# Altium PCB BC95_BLUE.PcbDoc
Units mil, origin at the board's own origin, x right, y up, seen from the top; angles counter-clockwise.
Board outline 2720 x 2260 mil, 2 copper layers (Top Layer, Bottom Layer); 107 components, 88 nets, 463 pads, 0 vias.
Unrouted connection lines stored in the file: 254.
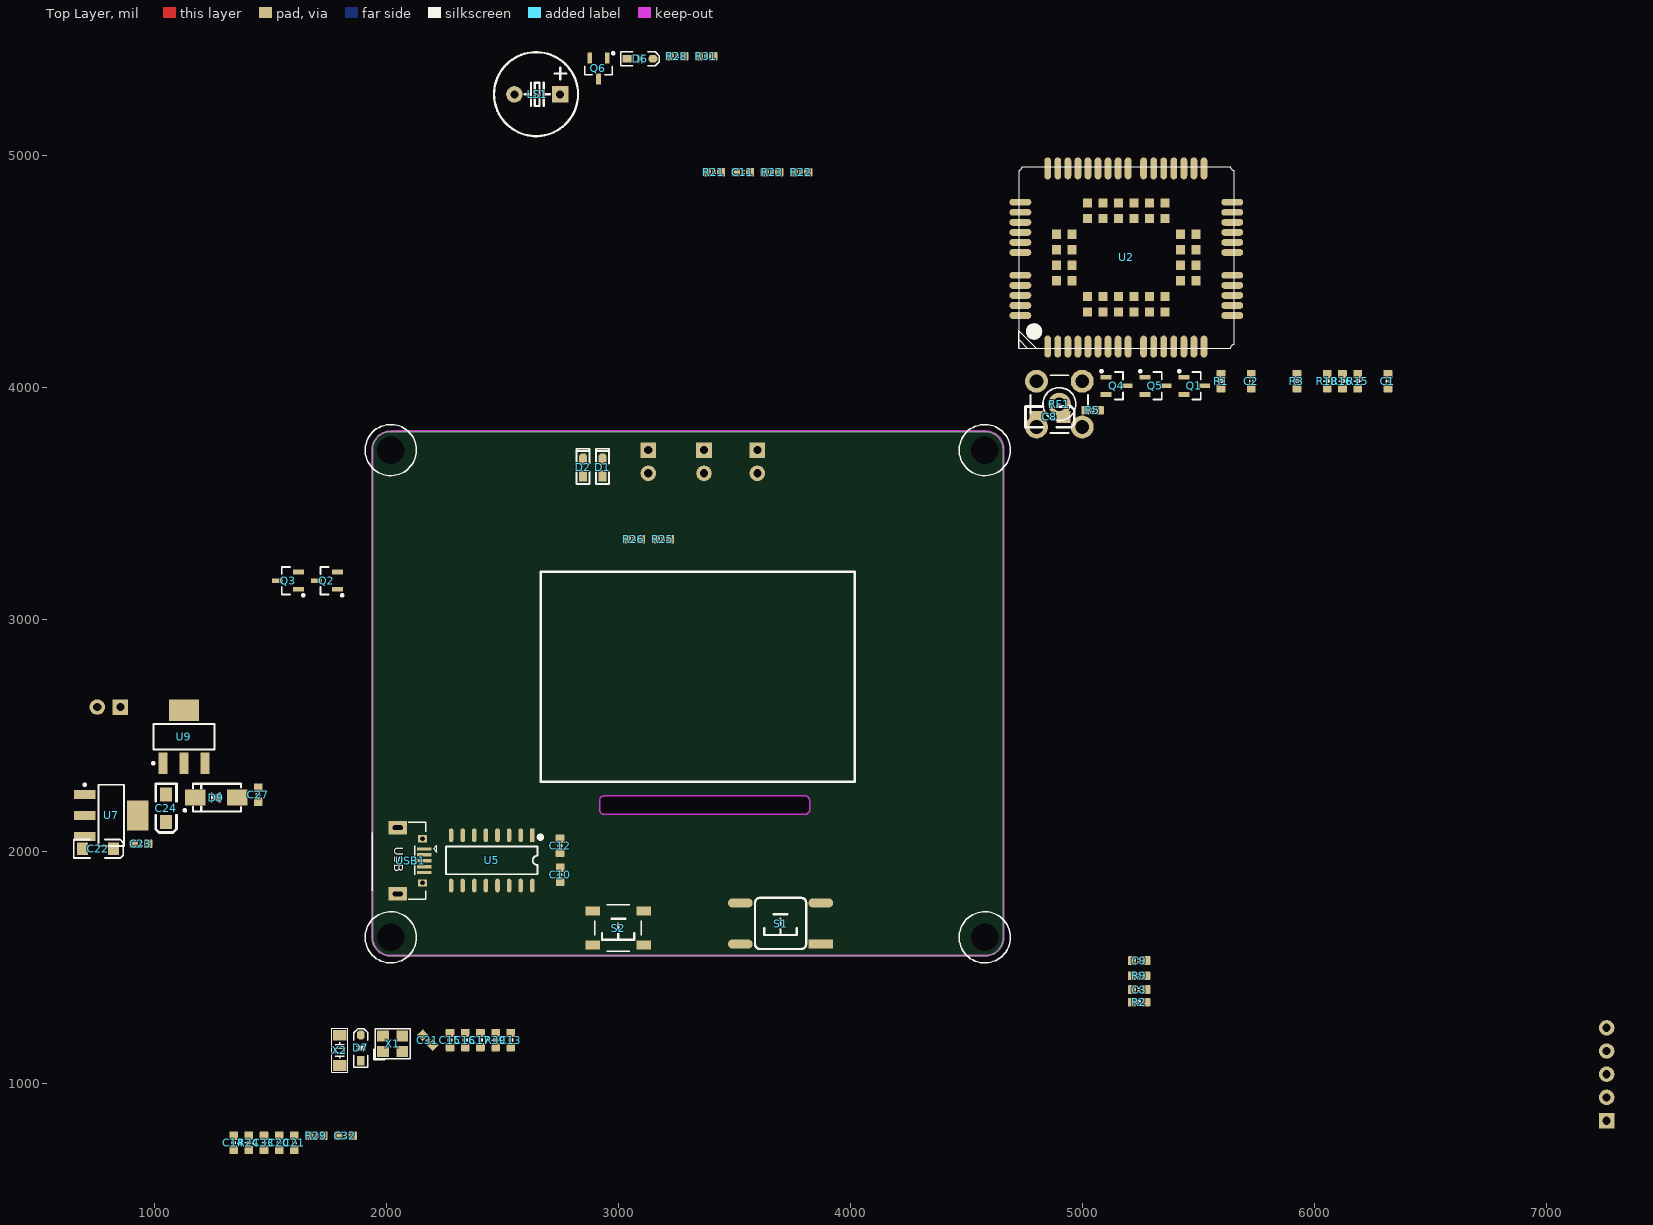
[diagram p0: Top Layer view]
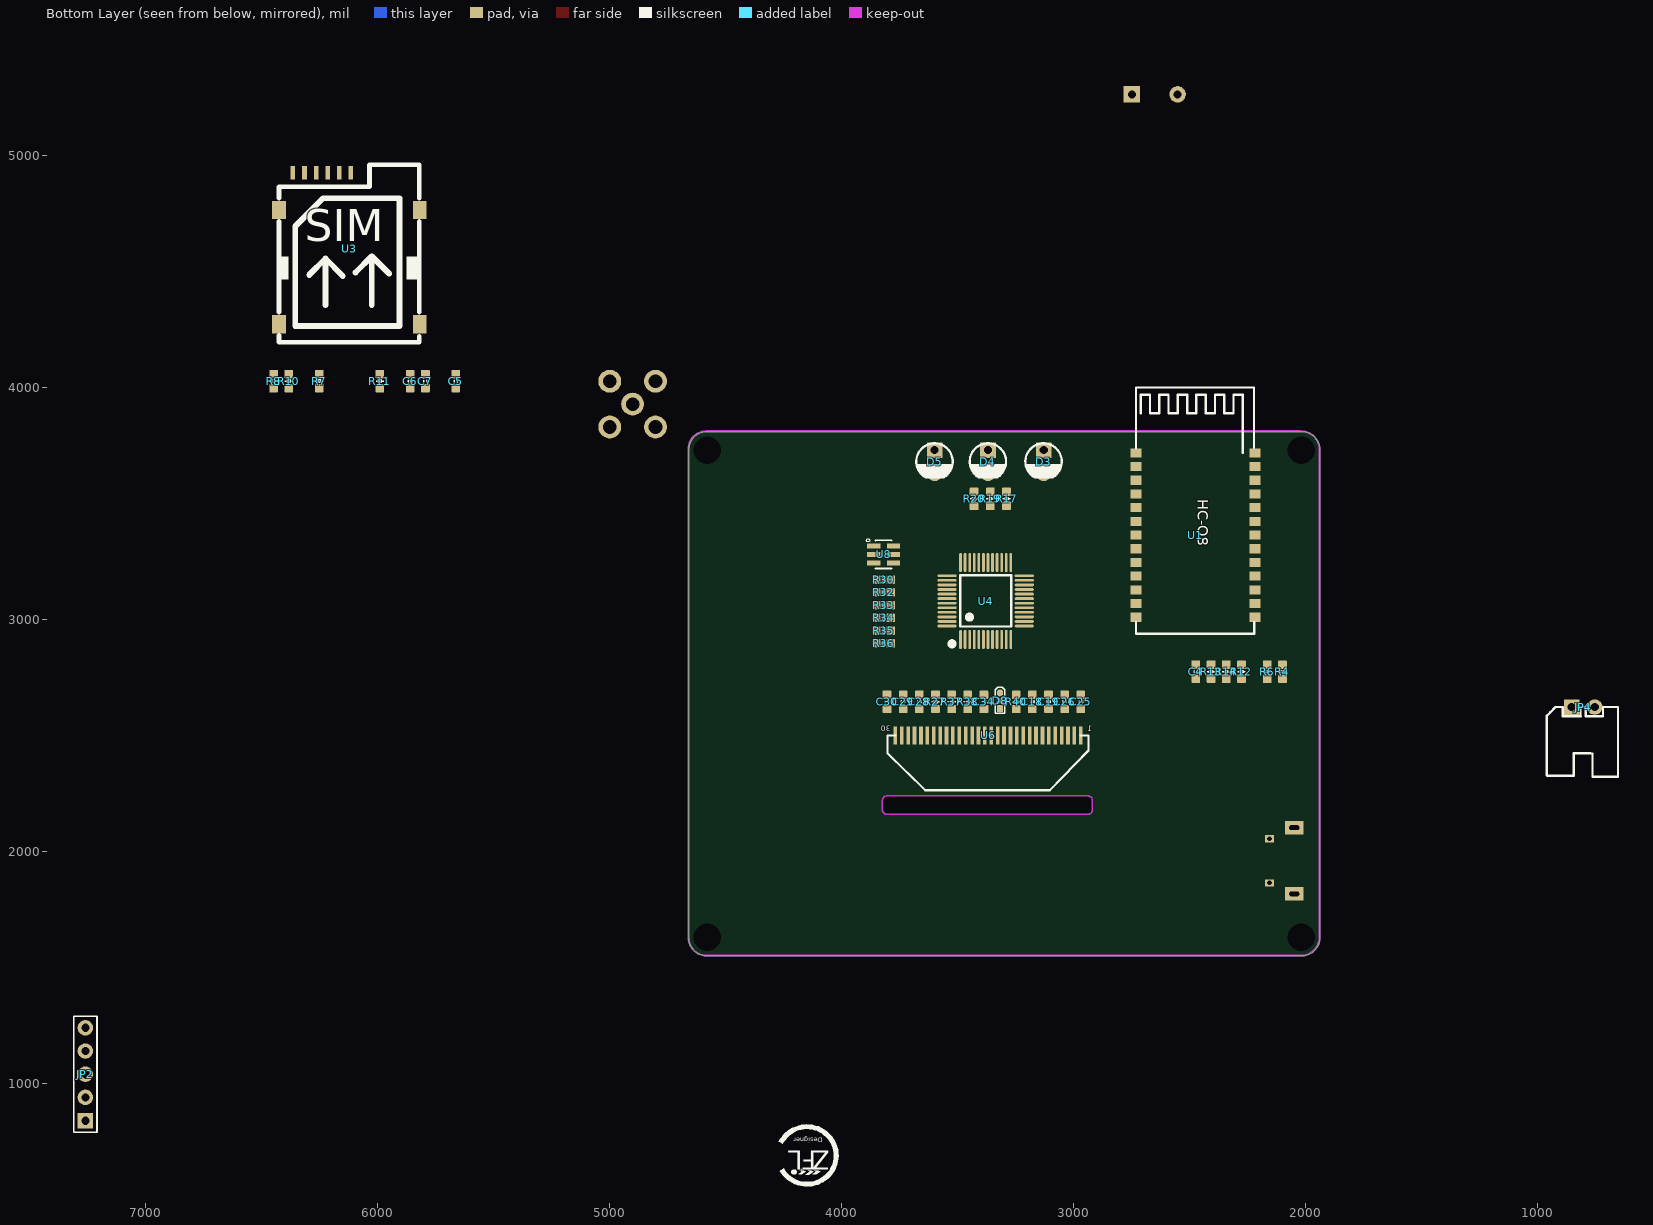
[diagram p1: Bottom Layer view, seen from below]

## Layer stack, top to bottom
Top Solder: solder mask 0.4, Solder Resist, Dk 3.5
Top Layer: signal copper 1.4
Dielectric 1: dielectric 12.6, FR-4, Dk 4.8
Bottom Layer: signal copper 1.4
Bottom Solder: solder mask 0.4, Solder Resist, Dk 3.5

## Board outline
1940,1628.74 ccw(c2018.74,1628.74) 2018.74,1550 4581.26,1550 ccw(c4581.26,1628.74) 4660,1628.74 4660,3731.26 ccw(c4581.26,3731.26) 4581.26,3810 2018.74,3810 ccw(c2018.74,3731.26) 1940,3731.26
cut-out: 2919.64,2180 ccw(c2939.64,2180) 2939.64,2160 3805,2160 ccw(c3805,2180) 3825,2180 3825,2220 ccw(c3805,2220) 3805,2240 2939.64,2240 ccw(c2939.64,2220) 2919.64,2220

## Design rules (kind name [scope] priority, off if disabled: settings)
Clearance Clearance_4 [InNamedPolygon('GND_L02_P002')] p1: gap=15 ignorepadtopadclearanceinfootprint=FALSE except(0: Arc-Hole Track-Hole SMDPad-Hole THPad-Hole Via-Hole Fill-Hole Poly-Hole Region-Hole Text-Hole)
Clearance Clearance_3 [InNamedPolygon('GND_L01_P000')] p2: gap=15 ignorepadtopadclearanceinfootprint=FALSE except(0: Arc-Hole Track-Hole SMDPad-Hole THPad-Hole Via-Hole Fill-Hole Poly-Hole Region-Hole Text-Hole)
Clearance Clearance_2 [InNamedPolygon('GND_L02_P002')] p3: gap=20 ignorepadtopadclearanceinfootprint=FALSE except(0: Arc-Hole Track-Hole SMDPad-Hole THPad-Hole Via-Hole Fill-Hole Poly-Hole Region-Hole Text-Hole)
Clearance Clearance_1 [InNamedPolygon('GND_L01_P000')] p4: gap=20 ignorepadtopadclearanceinfootprint=FALSE except(0: Arc-Hole Track-Hole SMDPad-Hole THPad-Hole Via-Hole Fill-Hole Poly-Hole Region-Hole Text-Hole)
Clearance [All] p5: gap=7 ignorepadtopadclearanceinfootprint=FALSE except(0: Arc-Hole Track-Hole SMDPad-Hole THPad-Hole Via-Hole Fill-Hole Poly-Hole Region-Hole Text-Hole)
DiffPairsRouting DiffPair_DiffPairsRouting [InDifferentialPairClass('90 OM')] p1: maxlimit=10 minlimit=10 mostfreqgap=10 toplayer_minwidth=15 toplayer_maxwidth=15 toplayer_prefwidth=15 bottomlayer_minwidth=15 bottomlayer_maxwidth=15 bottomlayer_prefwidth=15 maxuncoupledlength=500
DiffPairsRouting DiffPair_DiffPairsRouting [All] p2: maxlimit=7 minlimit=7 mostfreqgap=7 toplayer_minwidth=6 toplayer_maxwidth=6 toplayer_prefwidth=6 bottomlayer_minwidth=6 bottomlayer_maxwidth=6 bottomlayer_prefwidth=6 maxuncoupledlength=500
DiffPairsRouting DiffPair_DiffPairsRouting_1 [InDifferentialPairClass('90 OM')] p3: maxlimit=10 minlimit=10 mostfreqgap=10 toplayer_minwidth=15 toplayer_maxwidth=15 toplayer_prefwidth=15 bottomlayer_minwidth=15 bottomlayer_maxwidth=15 bottomlayer_prefwidth=15 maxuncoupledlength=500
DiffPairsRouting [All] p4: maxlimit=10 minlimit=10 mostfreqgap=10 toplayer_minwidth=15 toplayer_maxwidth=15 toplayer_prefwidth=15 bottomlayer_minwidth=15 bottomlayer_maxwidth=15 bottomlayer_prefwidth=15 maxuncoupledlength=500
FanoutControl Fanout_Default [All] p5: bgadir=Out bgaviamode=Closest fanoutstyle=Auto fanoutdirection=Alternating viagrid=1 // Fanout_Default (Default Rule)
MatchedLengths DiffPair_MatchedLengths [InDifferentialPairClass('90 OM')] p1: tolerance=1000 checknetsindiffpair=FALSE checkdiffpairvsdiffpair=TRUE checkxsignals=TRUE checkothers=TRUE
MatchedLengths DiffPair_MatchedLengths [All] p2: tolerance=1000 checknetsindiffpair=FALSE checkdiffpairvsdiffpair=TRUE checkxsignals=TRUE checkothers=TRUE
MatchedLengths DiffPair_MatchedLengths_1 [InDifferentialPairClass('90 OM')] p3: tolerance=1000 checknetsindiffpair=FALSE checkdiffpairvsdiffpair=TRUE checkxsignals=TRUE checkothers=TRUE
PolygonConnect PolygonConnect_2 [All vs IsNamedPolygon('GND_L02_P002')] p1: connectstyle=Direct reliefconductorwidth=10 reliefentries=4 polygonreliefangle="90 Angle" airgapwidth=10
PolygonConnect PolygonConnect_1 [All vs IsNamedPolygon('GND_L01_P000')] p2: connectstyle=Direct reliefconductorwidth=10 reliefentries=4 polygonreliefangle="90 Angle" airgapwidth=10
PolygonConnect [All] p3: connectstyle=Relief reliefconductorwidth=10 reliefentries=4 polygonreliefangle="90 Angle" airgapwidth=10
RoomDefinition Data_Blue [InComponentClass('Data_Blue')] p1: confinementstyle=ConfineIn formatcopy=TRUE lockcomponents=FALSE outline 0,0 30890,0 30890,8775 0,8775
RoutingVias [All] p1: holewidth=11.81 width=23.62 viastyle="Through Hole" minholewidth=11.81 minwidth=23.62 maxholewidth=28 maxwidth=50 viatemplateguid#1={C9D36F14-557D-4908-B1C2-58944D411F6E} viatemplatename#1=v127h71m0
SolderMaskExpansion [All] p1: expansion=4 istentingtop=FALSE
Width [All] p1: maxlimit=5000 minlimit=6 preferedwidth=6
28 further rules are at their usual default settings.

## Classes and differential pairs
net class POWER: GND MCU_3.3V VCC_5V
differential pair class "90 OM": NewDifferentialPair1 NewDifferentialPair2
differential pair NewDifferentialPair2: +USART3_RXD_PB10 -USART3_TXD_PB11
differential pair USARTUD: +UD+ -UD-
differential pair NewDifferentialPair1: +UD+ -UD-

## Components (designator, comment, footprint, x,y, rotation, side; value= is the part's Value field where it differs from the comment)
C1 "100nF" 0603CC 6317.79,4027.17 r180 top
C2 "100nF" 0603CC 5729.17,4027.17 r180 top
C3 "100nF" 0603CC 5245,1405 r270 top
C4 "100nF" 0603CC 2473.91,2774.92 r0 bottom
C5 "100nF" 0603CC 5663.77,4027.17 r180 bottom
C6 "33P" 0603CC 5859.98,4027.17 r180 bottom
C7 "33P" 0603CC 5794.57,4027.17 r0 bottom
C8 "470uF/16V" C3216 4861,3873.02 r180 top
C9 "10uF" 0603CC 5245,1530 r90 top
C10 "100nF" 0603CC 2750,1900 r0 top
C11 "100nF" 0603CC 3537.87,4927.3 r270 top
C12 "100nF" 0603CC 2749.41,2025.11 r0 top
C13 "22p" 0603CC 2537.17,1187.38 r0 top
C14 "22p" 0603CC 1342.7,744.87 r180 top
C15 "22p" 0603CC 2275.56,1187.38 r0 top
C16 "22p" 0603CC 2340.96,1187.38 r180 top
C17 "100nF" 0603CC 2406.37,1187.38 r180 top
C18 "1uF" 0603CC 3178.75,2644.62 r180 bottom locked
C19 "2.2uF" 0603CC 3109.17,2644.62 r180 bottom locked
C20 "10uF" 0603CC 1538.91,744.87 r0 top
C21 "100nF" 0603CC 1604.31,744.87 r0 top
C22 "470uF/35V" "CD A(3216)" 758.94,2011.6 r180 top
C23 "100nF" 0603CC 943.5,2032.83 r90 top
C24 "470uF/35V" C3216 1051.83,2186.54 r90 top
C25 "1uF" 0603CC 2970,2644.62 r0 bottom locked
C26 "1uF" 0603CC 3039.58,2644.62 r0 bottom locked
C27 "100nF" 0603CC 1448.39,2244.91 r0 top
C28 "2.2uF" 0603CC 3665.83,2644.62 r180 bottom locked
C29 "2.2uF" 0603CC 3735.42,2644.62 r180 bottom locked
C30 "1uF" 0603CC 3805,2644.62 r180 bottom locked
C31 "1uF" 0603CC 2179.6,1186.74 r225 top
C32 "100nF" 0603CC 1824.87,774.79 r270 top
C33 "10nF" 0603CC 1473.5,744.87 r0 top
C34 "4.7uF" 0603CC 3387.5,2644.62 r180 bottom locked
D1 "LED" "LED 0603G" 2933.31,3655 r90 top
D2 "LED" "LED 0603R" 2849.31,3655 r90 top
D3 "LED" "LED 3MM-G" 3130,3680 r270 bottom
D4 "LED" "LED 3MM-G" 3370,3680 r270 bottom
D5 "LED" "LED 3MM-G" 3600,3680 r270 bottom
D6 "1N4148" SOD-323 3094.48,5416.5 r0 top
D7 "1N4148" SOD-323 1890.95,1153.5 r90 top
D8 "1N4148" SOD-523 3318.22,2650 r90 bottom locked
D9 "SS34" SMA 1267.83,2232.54 r180 top
JP2 "HDR-1X5" HDR2.54-LI-5P 7260,1040 r90 bottom
JP4 "HDR-1X2" XH2.54-WI-2P 805,2622.54 r180 bottom
LS1 "DC5V" "BEEP 5x9x5.5" 2651.1,5262.99 r90 top
Q1 "SS8050" SOT23-3N 5483.05,4006.96 r270 top
Q2 "AO3401" SOT23-3N 1745.14,3167.06 r90 top
Q3 "SS8050" SOT23-3N 1577.68,3167.06 r90 top
Q4 "AO3401" SOT23-3N 5148.12,4006.96 r270 top
Q5 "SS8050" SOT23-3N 5315.58,4006.96 r270 top
Q6 "SS8050" SOT23-3N 2915.14,5375.16 r180 top
R1 "1K" 0603RR 5598.37,4027.17 r0 top
R2 "10K" 0603RR 5245,1350 r90 top
R3 "10K" 0603RR 5925.38,4027.17 r0 top
R4 "470R" 0603RR 2100.92,2774.92 r0 bottom
R5 "0R" 0603RR 5044.62,3901.32 r270 top
R6 "470R" 0603RR 2166.32,2774.92 r0 bottom
R7 "10R" 0603RR 6252.39,4027.17 r180 bottom
R8 "10R" 0603RR 6448.59,4027.17 r180 bottom
R9 "10K" 0603RR 5245,1465 r90 top
R10 "10R" 0603RR 6383.19,4027.17 r180 bottom
R11 "10K" 0603RR 5990.78,4027.17 r180 bottom
R12 "10K" 0603RR 2277.71,2774.92 r0 bottom
R13 "1K" 0603RR 2408.51,2774.92 r180 bottom
R14 "10K" 0603RR 2343.11,2774.92 r0 bottom
R15 "10K" 0603RR 6186.98,4027.17 r0 top
R16 "1K" 0603RR 6121.58,4027.17 r0 top
R17 "470R" 0603RR 3290,3520 r180 bottom
R18 "10K" 0603RR 6056.18,4027.17 r0 top
R19 "470R" 0603RR 3360,3520 r180 bottom
R20 "470R" 0603RR 3430,3519.49 r180 bottom
R21 "10K" 0603RR 3412.62,4927.3 r90 top
R22 "3.3K" 0603RR 3788.35,4927.3 r270 top
R23 "470R" 0603RR 3663.11,4927.3 r270 top
R24 "10K" 0603RR 1408.1,744.87 r0 top
R25 "220" 0603RR 3193.11,3345.18 r270 top
R26 "220" 0603RR 3067.87,3345.18 r270 top
R27 "560K" 0603RR 3596.25,2644.62 r0 bottom locked
R28 "1K" 0603RR 3253.6,5427.3 r90 top
R29 "10K" 0603RR 1699.63,774.79 r270 top
R30 "470R" 0603RR 3820,3171.81 r270 bottom
R31 "10K" 0603RR 3378.84,5427.3 r270 top
R32 "470R" 0603RR 3820,3116.81 r270 bottom
R33 "470R" 0603RR 3820,3061.81 r270 bottom
R34 "470R" 0603RR 3820,3006.81 r270 bottom
R35 "470R" 0603RR 3820,2951.81 r270 bottom
R36 "470R" 0603RR 3820,2896.81 r270 bottom
R37 "4.7K" 0603RR 3526.67,2644.62 r180 bottom locked
R38 "4.7K" 0603RR 3457.08,2644.62 r180 bottom locked
R39 "10R" 0603RR 2471.77,1187.38 r0 top
R40 "4.7K" 0603RR 3248.33,2644.62 r0 bottom locked
RF1 "SMA天线" SMA_FR 4901.64,3928.16 r180 top
S1 "SW-PB" "TSW SMD-6*6*6" 3700,1690 r180 top
S2 "SW-PB" "TSW SMD-4*4*1.5" 3000,1670 r180 top
U1 "HC-08" HC-08 2731.81,3718.11 r270 bottom
U2 "BC95" BC95 5190,4560 r90 top
U3 "USIM_6P" "SIM 6P 自弹" 6425.7,4765.16 r180 bottom
U4 "STM32F103C8" "LQFP48 7X7_M" 3380,3080 r180 bottom
U5 "CH340C" SOP16_L 2455,1961.65 r270 top
U6 "SSH1106_OLED_1.3" OLED_1.3_FPC_30 2970,2500 r0 bottom locked
U7 "AMS1117-3.3" SOT223_N 815.42,2155.8 r0 top
U8 "GT20L16_字库" SOT23-6 3820,3280 r90 bottom
U9 "AMS1117-5.0V" SOT223_N 1128.66,2494.58 r90 top
USB1 "USB-5P" USB-MICRO_A 2050,1960 r270 top
X1 "8M" "OSC 3225-4P" 2028.39,1172.05 r0 top
X2 "32.768K" "OSC 3215-2P" 1800.48,1143.03 r90 top

## Footprints (in the part's own frame and the unit in brackets; to place one, negate y for a bottom-side part, rotate by r counter-clockwise, add the part's x,y. Pads: shape width x height; smd on the part's side, far side on the other; paste and mask are expansions set on the pad)
0603CC [mm]
  rrect20% 0.95x0.92 smd: 1(0,0.775) 2(0,-0.775)
  silkscreen extent -0.18,-0.1 0.18,0.1, body extent -0.39,-0.8 0.39,0.8, height 0.79
0603RR [mm]
  rrect20% 0.95x0.92 smd: 1(0,0.775) 2(0,-0.775)
  silkscreen extent -0.43,-0.13 0.43,0.13, body extent -0.39,-0.8 0.39,0.8, height 0.3
BC95 [mm]
  oval 2.4x0.75 smd: 1(-9.75,8.6) 2(-9.75,7.5) 3(-9.75,6.4) 4(-9.75,5.3) 5(-9.75,4.2) 6(-9.75,3.1) 7(-9.75,2) 8(-9.75,0.9) 9(-9.75,-0.2) 10(-9.75,-1.9) 11(-9.75,-3) 12(-9.75,-4.1) 13(-9.75,-5.2) 14(-9.75,-6.3) 15(-9.75,-7.4) 16(-9.75,-8.5) 28(9.75,-8.5) 29(9.75,-7.4) 30(9.75,-6.3) 31(9.75,-5.2) 32(9.75,-4.1) 33(9.75,-3) 34(9.75,-1.9) 35(9.75,-0.2) 36(9.75,0.9) 37(9.75,2) 38(9.75,3.1) 39(9.75,4.2) 40(9.75,5.3) 41(9.75,6.4) 42(9.75,7.5) 43(9.75,8.6)
  oval 0.75x2.4 smd: 17(-6.35,-11.6) 18(-5.25,-11.6) 19(-4.15,-11.6) 20(-3.05,-11.6) 21(-1.95,-11.6) 22(0.55,-11.6) 23(1.65,-11.6) 24(2.75,-11.6) 25(3.85,-11.6) 26(4.95,-11.6) 27(6.05,-11.6) 44(6.05,11.6) 45(4.95,11.6) 46(3.85,11.6) 47(2.75,11.6) 48(1.65,11.6) 49(0.55,11.6) 50(-1.95,11.6) 51(-3.05,11.6) 52(-4.15,11.6) 53(-5.25,11.6) 54(-6.35,11.6)
  rect 1x1 smd: 55(-5.95,4.25) 56(-5.95,2.55) 57(-5.95,0.85) 58(-5.95,-0.85) 59(-5.95,-2.55) 60(-5.95,-4.25) 61(-2.55,-7.65) 62(-0.85,-7.65) 63(0.85,-7.65) 64(2.55,-7.65) 65(5.95,-4.25) 66(5.95,-2.55) 67(5.95,-0.85) 68(5.95,0.85) 69(5.95,2.55) 70(5.95,4.25) 71(2.55,7.65) 72(0.85,7.65) 73(-0.85,7.65) 74(-2.55,7.65) 75(-4.25,4.25) 76(-4.25,2.55) 77(-4.25,0.85) 78(-4.25,-0.85) 79(-4.25,-2.55) 80(-4.25,-4.25) 81(-2.55,-5.95) 82(-0.85,-5.95) 83(0.85,-5.95) 84(2.55,-5.95) 85(4.25,-4.25) 86(4.25,-2.55) 87(4.25,-0.85) 88(4.25,0.85) 89(4.25,2.55) 90(4.25,4.25) 91(2.55,5.95) 92(0.85,5.95) 93(-0.85,5.95) 94(-2.55,5.95)
  silkscreen extent -9.95,-11.8 9.95,11.8, body extent -10,-11.8 10,11.8, height 3
"BEEP 5x9x5.5" [mm] "5*9*5.5mm(脚距,直径,高度)"
  rect 1.8x1.8 hole 0.9: 1(0,-2.5)
  round 1.8 hole 0.9: 2(0,2.5)
  silkscreen extent -4.57,-4.47 4.62,4.73, body extent -4.5,-4.5 4.5,4.5, height 5.45
C3216 [mil] "A型/1206 3.2mmx1.6mm（蒜米工坊）"
  rect 60x51.18 smd: 1(-59,0) 2(59,0)
  silkscreen extent -105,-45 105,45, body extent -63,-31 63,32, height 63
"CD A(3216)" [mm] "长3.2mm，宽1.6mm，厚1.6mm"
  rect 1.2x1.4 smd: 1(-1.7,0) 2(1.7,0)
  silkscreen extent -2.74,-1.02 2.67,1.02, body extent -1.6,-0.8 1.6,0.8, height 1.6
HC-08 [mm]
  rect 1x1.2 smd: 1(0,0) 2(1.5,0) 3(3,0) 4(4.5,0) 5(6,0) 6(7.5,0) 7(9,0) 8(10.5,0) 9(12,0) 10(13.5,0) 11(15,0) 12(16.5,0) 13(18,0) 14(18,13) 15(16.5,13) 16(15,13) 17(13.5,13) 18(12,13) 19(10.5,13) 20(9,13) 21(7.5,13) 22(6,13) 23(4.5,13) 24(3,13) 25(1.5,13) 26(0,13)
  silkscreen extent -7.16,0 19.81,12.95, body extent -7.11,0 19.81,12.95, height 2.3
HDR2.54-LI-5P [mm] "排针，5脚"
  rect 1.7x1.7 hole 0.9: 1(-5.08,0)
  round 1.7 hole 0.9: 2(-2.54,0) 3(0,0) 4(2.54,0) 5(5.08,0)
  silkscreen extent -6.35,-1.27 6.35,1.27, body extent -6.35,-1.27 6.35,1.27, height 8.5
"LED 3MM-G" [mm] "绿色3mm直插LED"
  rect 1.7x1.7 hole 0.9: 1(-1.27,0)
  round 1.7 hole 0.9: 2(1.27,0)
  silkscreen extent -2.01,-2 1.72,1.98, body extent -1.95,-1.95 1.64,1.95, height 5.55
"LED 0603G" [mil] "绿色0603LED"
  rect 50x35 smd: 1(-35,0.26)
  oct 50x35 smd: 2(35,0.26)
  silkscreen extent -71,-28 81,28, body extent -31,-16 31,16, height 24
"LED 0603R" [mil] "红色0603LED"
  rect 50x35 smd: 1(-35,0.26)
  oct 50x35 smd: 2(35,0.26)
  silkscreen extent -71,-28 81,28, body extent -31,-16 31,16, height 24
"LQFP48 7X7_M" [mm] "48脚，体宽7x7mm，脚距0.5mm"
  oval 0.3x2.1 smd: 1(-2.75,-4.227) 2(-2.25,-4.227) 3(-1.75,-4.227) 4(-1.25,-4.227) 5(-0.75,-4.227) 6(-0.25,-4.227) 7(0.25,-4.227) 8(0.75,-4.227) 9(1.25,-4.227) 10(1.75,-4.227) 11(2.25,-4.227) 12(2.75,-4.227) 25(2.75,4.202) 26(2.25,4.202) 27(1.75,4.202) 28(1.25,4.202) 29(0.75,4.202) 30(0.25,4.202) 31(-0.25,4.202) 32(-0.75,4.202) 33(-1.25,4.202) 34(-1.75,4.202) 35(-2.25,4.202) 36(-2.75,4.202)
  oval 2.1x0.3 smd: 13(4.227,-2.75) 14(4.227,-2.25) 15(4.227,-1.75) 16(4.227,-1.25) 17(4.227,-0.75) 18(4.227,-0.25) 19(4.227,0.25) 20(4.227,0.75) 21(4.227,1.25) 22(4.227,1.75) 23(4.227,2.25) 24(4.227,2.75) 37(-4.227,2.75) 38(-4.227,2.25) 39(-4.227,1.75) 40(-4.227,1.25) 41(-4.227,0.75) 42(-4.227,0.25) 43(-4.227,-0.25) 44(-4.227,-0.75) 45(-4.227,-1.25) 46(-4.227,-1.75) 47(-4.227,-2.25) 48(-4.227,-2.75)
  silkscreen extent -3.93,-4.95 2.79,2.79, body extent -4.5,-4.5 4.5,4.5, height 1.45
OLED_1.3_FPC_30 [mm]
  rect 0.4x2 smd: 1(0,0) 2(0.7,0) 3(1.4,0) 4(2.1,0) 5(2.8,0) 6(3.5,0) 7(4.2,0) 8(4.9,0) 9(5.6,0) 10(6.3,0) 11(7,0) 12(7.7,0) 13(8.4,0) 14(9.1,0) 15(9.8,0) 16(10.5,0) 17(11.2,0) 18(11.9,0) 19(12.6,0) 20(13.3,0) 21(14,0) 22(14.7,0) 23(15.4,0) 24(16.1,0) 25(16.8,0) 26(17.5,0) 27(18.2,0) 28(18.9,0) 29(19.6,0) 30(20.3,0)
  silkscreen extent -0.85,0 21.17,6
"OSC 3215-2P" [mm] "3.2*1.5*0.6mm(长宽高)"
  rect 1.2x1.5 smd: 1(-1.65,0) 2(1.65,0)
  silkscreen extent -2.41,-0.89 2.41,0.89, body extent -1.6,-0.75 1.6,0.75, height 0.61
"OSC 3225-4P" [mm] "3.2*2.5*0.7mm(长宽高)"
  rect 1.3x1.2 smd: 1(-1.05,-0.85) 2(1.05,-0.85) 3(1.05,0.85) 4(-1.05,0.85)
  silkscreen extent -2.03,-1.75 1.91,1.65, body extent -1.6,-1.25 1.6,1.25, height 0.7
"SIM 6P 自弹" [mm]
  rect 0.5x1.5 smd: 1(2.794,4.064) 2(5.334,4.064) 3(7.874,4.064) 4(1.524,4.064) 5(4.064,4.064) 6(6.604,4.064)
  rect 1.5x2 smd: 4(0,-12.53) 4(0,0) 4(15.4,-12.53) 4(15.4,0)
  silkscreen extent 0,-14.48 15.37,4.95, body extent -0.51,-14.48 15.75,4.95, height 1.25
SMA [mm] "4.5x2.6*2.2mm（长宽高，不包括引脚）"
  rect 2.2x1.75 smd: 1(-2.3,0) 2(2.3,0)
  silkscreen extent -2.7,-1.52 3.56,1.52, body extent -2.53,-1.3 2.58,1.3, height 2.15
SMA_FR [mm] "SMA 90度射频天线座"
  round 2.5 hole 1.5: 1(0,0) 2(-2.5,2.5) 2(2.5,2.5) 3(-2.5,-2.5) 3(2.5,-2.5)
  silkscreen extent -3.15,-3.15 3.15,3.15, body extent -3.5,-3.5 3.5,11.6, height 10.26
SOD-323 [mm] "1.8x1.3X0.9mm（长宽高，不包括引脚）"
  rect 1x0.8 smd: 1(-1.4,0)
  oct 1x0.8 smd: 2(1.4,0)
  silkscreen extent -2.11,-0.76 2.11,0.76, body extent -1.34,-0.63 1.31,0.67, height 1
SOD-523 [mm] "1.2x0.8X0.6mm（长宽高，不包括引脚）"
  rect 0.8x0.7 smd: 1(-0.85,0)
  oct 0.8x0.7 smd: 2(0.85,0)
  silkscreen extent -1.4,-0.51 1.45,0.51, body extent -0.8,-0.4 0.8,0.4, height 0.65
SOP16_L [mm] "10.3*6.2*1.8mm（长宽高）"
  rect 1.5x0.5 smd: 1(-2.752,4.445)
  oval 1.5x0.5 smd: 2(-2.752,3.175) 3(-2.752,1.905) 4(-2.752,0.635) 5(-2.752,-0.635) 6(-2.752,-1.905) 7(-2.752,-3.175) 8(-2.752,-4.445) 9(2.752,-4.445) 10(2.752,-3.175) 11(2.752,-1.905) 12(2.752,-0.635) 13(2.752,0.635) 14(2.752,1.905) 15(2.752,3.175) 16(2.752,4.445)
  silkscreen extent -2.69,-5 1.52,5.49, body extent -3,-5 3,5, height 1.9
SOT23-3N [mm] "3x1.3x1mm(长宽高)"
  rect 0.5x1.2 smd: 1(-0.95,-1.143) 2(0.95,-1.143) 3(0,1.143)
  silkscreen extent -1.72,-1.78 1.5,0.7, body extent -1.5,-1.2 1.5,1.2, height 1.05
SOT23-6 [mm] "SOT-23/SC-74A; 5 Leads; Body 3.1 x 3 mm, inc. leads (LxW max)"
  rect 0.55x1.45 smd: 1(0.95,1.075) 2(0,1.075) 3(-0.95,1.075) 4(-0.95,-1.075) 5(0,-1.075) 6(0.95,-1.075)
  silkscreen extent -1.55,-0.9 1.73,1.88, body extent -1.43,-1.2 1.49,1.14, height 1
SOT223_N [mm] "SOT223, 4-Leads, Body 6.5x3.5mm, Pitch 2.3mm, Lead Span 7mm, IPC Medium Density"
  rect 2.4x1 smd: 1(-2.9,2.3) 2(-2.9,0) 3(-2.9,-2.3)
  rect 2.4x3.3 smd: 4(2.9,0)
  silkscreen extent -3.02,-3.35 1.4,3.47, body extent -1.85,-3.35 1.85,3.35, height 1.7
"TSW SMD-4*4*1.5" [mm] "轻触开关，长宽高：4*4*1.5mm"
  rect 1.6x1 smd: 1(-2.8,1.85) 2(-2.8,-1.85) 3(2.8,-1.85) 4(2.8,1.85)
  silkscreen extent -2.55,-2.55 2.55,2.55, body extent -3.2,-2.6 3.2,2.6, height 1.5
"TSW SMD-6*6*6" [mm] "6*6*6mm"
  rect 2.7x1 smd: 1(-4.4,2.261)
  oval 2.7x1 smd: 2(-4.4,-2.239) 3(4.4,-2.239) 4(4.4,2.261)
  silkscreen extent -2.79,-2.79 2.79,2.79, body extent -4.5,-3 4.5,3, height 5.95
USB-MICRO_A [mm] "micro型USB ，5.7*7.8*2.5mm"
  rect 0.35x1.6 smd: 1(-1.3,2.9) 2(-0.65,2.9) 3(0,2.9) 4(0.65,2.9) 5(1.3,2.9)
  rect 1.5x2 hole 0.5 slot 1.1 at 90 deg: 5(-3.625,0) 5(3.625,0)
  rect 0.8x1 hole 0.5: 5(-2.425,2.71) 5(2.425,2.71)
  silkscreen extent -4.19,-2.79 4.19,4.3, body extent -4,-2.71 4,2.89, height 2.8
XH2.54-WI-2P [mm] "接插件，2P"
  rect 1.7x1.7 hole 0.9: 1(-1.27,0)
  round 1.7 hole 0.9: 2(1.27,0)
  silkscreen extent -3.99,-7.62 3.81,0, body extent -3.77,-7.35 3.77,0.35, height 5.73

## Part data
C1 C2 C3 C4 C5 C6 C7 C9 C10 C11 C12 C13 C14 C15 C16 C17 C18 C19 C20 C21 C23 C25 C26 C27 C28 C29 C30 C31 C32 C33 C34: library part cap
C8 C22 C24: library part Ecap
D6: "高速开关二极管", BOM名称=高速开关二极管, 学习资源=www.ooocke.com, 版权归属=源创客
D7: library part D
D8 D9: library part Diod
JP2: library part "Header 5", "5P接插件", BOM名称=5P接插件, 学习资源=www.ooocke.com, 版权归属=源创客
JP4: library part "Header 2", "2P接插件", BOM名称=2P接插件, 学习资源=www.ooocke.com, 版权归属=源创客
LS1: library part BEEP, "蜂鸣器", BOM名称=蜂鸣器, 学习资源=www.ooocke.com, 版权归属=源创客
Q1 Q3 Q5 Q6: library part 8050-SMD, "高频放大-NPN型", BOM名称=高频放大-NPN型, 学习资源=www.ooocke.com, 属性="40V 1.5A 1W 100MHZ", 版权归属=源创客
Q2 Q4: library part SI2301, "P沟道场效应管", BOM名称=P沟道场效应管, 学习资源=www.ooocke.com, 版权归属=源创客
R1 R2 R3 R4 R5 R6 R7 R8 R9 R10 R11 R12 R13 R14 R15 R16 R17 R18 R19 R20 R21 R22 R23 R24 R25 R26 R27 R28 R29 R30 R31 R32 R33 R34 R35 R36 R37 R38 R39 R40: library part res
S1 S2: "Switch", LatestRevisionDate=17-Jul-2002, LatestRevisionNote="Re-released for DXP Platform.", PackageReference=SPST-2, Published=24-Mar-1999, Publisher="Altium Limited"
U3: library part USIM-6P
U4: "Flaah:64/RAM:20/IO:36", BOM名称=32位STM单片机, 学习资源=www.ooocke.com, 版权归属=源创客
U7 U9: library part AMS1117
USB1: "微型USB母座", BOM名称=微型USB母座, 学习资源=www.ooocke.com, 版权归属=源创客
X1: library part XTAL-4P, "4脚无源晶振", BOM名称=4脚无源晶振, 学习资源=www.ooocke.com, 版权归属=源创客
X2: library part XTAL-2P, "2脚无源脚晶振", BOM名称=2脚无源脚晶振, 学习资源=www.ooocke.com, 版权归属=源创客

## Free pads (board coordinates)
  round 60 hole 118.11 unplated: 0(2020,1630) 0(2020,3730) 0(4580,1630) 0(4580,3730)

## Nets (pads, with @x,y where several pads share a name; then routed paths per layer and width w, separated by ;. In a path a pad name is that pad's centre, name@x,y a point inside that pad or via, vN(x,y) a via of type N, cw(c..) or ccw(c..) an arc to the next point about the centre after c; other vN are vias at no path point)
BEEP: R28.1 U4.39
BLE_CLEAR: U1.18 U4.14
BLE_CON_LED: R4.1 U1.17 U4.15
BLE_Pilot_LED: R6.1 U1.16 U4.16
BLE_Pilot_LED_CON: U1.14
Blue_Power_Control: R13.1 U4.17
Blue_RST: U1.11 U4.29
Blue_RXD_PA2: U1.2 U4.12
Blue_TXD_PA3: U1.1 U4.13
CLK: R36.2 R38.2 U6.18 U8.1
CS1: R33.2 U6.13
CS2: R30.2 U8.3
D/C: R34.2 U6.15
FSO: R32.2 U8.5
GND: C1.2 C2.2 C3.2 C4.1 C5.1 C6.1 C7.1 C8.2 C9.1 C10.2 C11.1 C12.2 C13.1 C14.2 C15.1 C16.2 C17.2 C18.1 C19.1 C20.1 C21.1 C22.2 C23.1 C24.2 C27.1 C28.1 C29.1 C30.1 C31.1 C32.1 C33.1 C34.1 D1.2 D2.2 JP2.3 JP4.1 Q1.2 Q3.2 Q5.2 Q6.2 R3.2 R14.2 R18.2 R22.2 R24.2 R27.2 R29.1 R31.2 RF1.2 RF1.3 S1.2 S2.2 U1.13 U2.2 U2.43 U2.47 U2.48 U2.51 U2.52 U2.54 U4.8 U4.23 U4.35 U4.47 U5.1 U6.1 U6.7 U6.8 U6.10 U6.11 U6.12 U6.16 U6.17 U6.21 U6.22 U6.23 U6.24 U6.25 U6.29 U6.30 U7.1 U8.2 U9.1 USB1.4 USB1.5
LED1: R17.2 U4.25
LED2: R19.2 U4.26
LED3: R20.2 U4.27
MCU_3.3V: C18.2 C19.2 C24.1 C27.2 C31.2 C32.2 C33.2 D3.1 D4.1 D5.1 D6.2 D7.1 D8.2 JP2.5 LS1.1 Q2.2 Q4.2 R2.2 R9.2 R12.2 R15.2 R37.1 R38.1 R39.1 R40.2 U4.24 U4.36 U4.48 U6.6 U6.9 U7.2 U7.4 U8.4
MCU_RST: C9.2 JP2.1 R9.1 S2.1 U4.7
MOSI: R35.2 R37.2 U6.19 U8.6
NB_Power_Control: R16.1 U4.33
NB_RESET: Q1.3 U2.15
NB_RESET_Control: R1.1 U4.32
NB_RXD_PA9: U2.29 U4.30
NB_TXD_PA10: U2.30 U4.31
NetC1_1: C1.1 R5.2 RF1.1
NetC11_2: C11.2 R21.2 R22.1 R23.2
NetC12_1: C12.1 U5.4
NetC13_2: C13.2 U4.5 X1.3
NetC14_1: C14.1 U4.3 X2.2
NetC15_2: C15.2 U4.6 X1.1
NetC16_1: C16.1 U4.4 X2.1
NetC17_1: C17.1 D7.2 U4.1
NetC20_2: C20.2 C21.2 R39.2 U4.9
NetC25_1: C25.1 U6.2
NetC25_2: C25.2 U6.3
NetC26_1: C26.1 U6.4
NetC26_2: C26.2 U6.5
NetC28_2: C28.2 U6.27
NetC29_2: C29.2 C30.2 U6.28
NetC34_2: C34.2 D8.1
NetD1_1: D1.1 R4.2
NetD2_1: D2.1 R6.2
NetD3_2: D3.2 R17.1
NetD4_2: D4.2 R19.1
NetD5_2: D5.2 R20.1
NetD6_1: D6.1 LS1.2 Q6.3
NetD9_2: D9.2 U9.3
NetQ1_1: Q1.1 R1.2 R3.1
NetQ2_1: Q2.1 Q3.3 R12.1
NetQ3_1: Q3.1 R13.2 R14.1
NetQ4_1: Q4.1 Q5.3 R15.1
NetQ5_1: Q5.1 R16.2 R18.1
NetQ6_1: Q6.1 R28.2 R31.1
NetR7_2: R7.2 U3.3
NetR8_2: R8.2 U3.2
NetR10_2: R10.2 R11.2 U3.6
NetR24_1: R24.1 U4.20
NetR25_2: R25.2 U5.2
NetR26_2: R26.2 U5.3
NetR27_1: R27.1 U6.26
NetR29_2: R29.2 U4.44
NetR40_1: R40.1 U6.14
OLED_CLK: R36.1 U4.46
OLED_CS1: R33.1 U4.42
OLED_CS2: R30.1 U4.40
OLED_D/C: R34.1 U4.43
OLED_FSO: R32.1 U4.41
OLED_MOSI: R35.1 U4.45
POWER_+: D9.1 JP4.2 R21.1
POWER_ADC: R23.1 U4.11
RF: C2.1 R5.1 U2.53
SWCLK_PA14: JP2.4 U4.37
SWDIO_PA13: JP2.2 U4.34
UD+: U5.5 USB1.3
UD-: U5.6 USB1.2
USART3_RXD_PB10: R26.1 U4.21
USART3_TXD_PB11: R25.1 U4.22
USIM_CLK: C7.2 R7.1 U2.41
USIM_GND: U2.42 U3.4
USIM_IO: R10.1 U2.40
USIM_RST: C6.2 R8.1 U2.39
USIM_VDD: C5.2 R11.1 U2.38 U3.1
VCC_5V: C10.1 C22.1 C23.2 U5.16 U7.3 U9.4 USB1.1
VCC_BLUE: C4.2 Q2.3 U1.12
VCC_NB: C8.1 Q4.3 U2.45 U2.46
WakeUp_KEY1_PA0: C3.1 R2.1 S1.1 U4.10
pads on no net: S1.3 S1.4 S2.3 S2.4 U1.3 U1.4 U1.5 U1.6 U1.7 U1.8 U1.9 U1.10 U1.15 U1.19 U1.20 U1.21 U1.22 U1.23 U1.24 U1.25 U1.26 U2.1 U2.3 U2.4 U2.5 U2.6 U2.7 U2.8 U2.9 U2.10 U2.11 U2.12 U2.13 U2.14 U2.16 U2.17 U2.18 U2.19 U2.20 U2.21 U2.22 U2.23 U2.24 U2.25 U2.26 U2.27 U2.28 U2.31 U2.32 U2.33 U2.34 U2.35 U2.36 U2.37 U2.44 U2.49 U2.50 U2.55 U2.56 U2.57 U2.58 U2.59 U2.60 U2.61 U2.62 U2.63 U2.64 U2.65 U2.66 U2.67 U2.68 U2.69 U2.70 U2.71 U2.72 U2.73 U2.74 U2.75 U2.76 U2.77 U2.78 U2.79 U2.80 U2.81 U2.82 U2.83 U2.84 U2.85 U2.86 U2.87 U2.88 U2.89 U2.90 U2.91 U2.92 U2.93 U2.94 U3.5 U4.2 U4.18 U4.19 U4.28 U4.38 U5.7 U5.8 U5.9 U5.10 U5.11 U5.12 U5.13 U5.14 U5.15 U6.20 U9.2 X1.2 X1.4

## Keep-outs
Keep-Out Layer:
  lines w6: 2919.64,2180 ccw(c2939.64,2180) 2939.64,2160 3805,2160 ccw(c3805,2180) 3825,2180 3825,2220 ccw(c3805,2220) 3805,2240 2939.64,2240 ccw(c2939.64,2220) 2919.64,2220 2919.64,2180
  lines w7: 1941.26,1630 ccw(c2020,1630) 2020,1551.26 4582.52,1551.26 ccw(c4582.52,1630) 4661.26,1630 4661.26,3732.52 ccw(c4582.52,3732.52) 4582.52,3811.26 2020,3811.26 ccw(c2020,3732.52) 1941.26,3732.52 1941.26,1630 ; 1942.52,1631.26 ccw(c2021.26,1631.26) 2021.26,1552.52 4583.78,1552.52 ccw(c4583.78,1631.26) 4662.52,1631.26 4662.52,3733.78 ccw(c4583.78,3733.78) 4583.78,3812.52 2021.26,3812.52 ccw(c2021.26,3733.78) 1942.52,3733.78 1942.52,1631.26

## Silkscreen, mask and mechanical layers (free items; w line width, h text height)
Top Overlay:
  circle w6: c4580,3730 r110.24
  circle w6: c4580,1630 r110.24
  circle w6: c2020,1630 r110.24
  circle w6: c2020,3730 r110.24
  lines w10: 2666.42,2300 4020,2300 4020,3205.51 2666.42,3205.51 2666.42,2300
Bottom Overlay:
  circle w4.45: c4206.13,618.73 r9.81
  region: 4196.32,618.73 ccw(c4206.13,618.73) 4206.13,608.92 ccw(c4206.13,618.73) 4215.94,618.73 ccw(c4206.13,618.73) 4206.13,628.54 ccw(c4206.13,618.73)
  region: 4270.47,748 ccw(c4150,690) 4265.49,622.63 4250.85,632.37 cw(c4150,690) 4254.79,740.12 4254.77,740.16
  region: 4125.06,630.31 4113.03,630.31 4095.21,619.62 4113.03,608.04 4125.06,608.04 4107.24,619.62
  region: 4154.9,629.87 4142.87,629.87 4125.06,619.17 4142.87,607.59 4154.9,607.59 4137.08,619.17
  region: 4186.53,630.31 4174.5,630.31 4156.68,619.62 4174.5,608.04 4186.53,608.04 4168.71,619.62
  lines w4.45: 4254.77,740.16 4270.47,748 ccw(c4150,690) 4265.49,622.63 4250.85,632.37 cw(c4150,690) 4254.79,740.12 ; 4095.21,619.62 4113.03,608.04 4125.06,608.04 4107.24,619.62 4125.06,630.31 4113.03,630.31 4095.21,619.62 ; 4125.06,619.17 4142.87,629.87 4154.9,629.87 4137.08,619.17 4154.9,607.59 4142.87,607.59 4125.06,619.17 ; 4156.68,619.62 4174.5,630.31 4186.53,630.31 4168.71,619.62 4186.53,608.04 4174.5,608.04 4156.68,619.62
  text "Designer" at 4083.18,774.63 h35.07 r180
  text "Z" at 4052,739 h140.3 r180
  text "F" at 4109.91,739 h140.3 r180
  text "L" at 4167.82,739 h140.3 r180
Mechanical 1:
  lines w7: 1940,1628.74 ccw(c2018.74,1628.74) 2018.74,1550 4581.26,1550 ccw(c4581.26,1628.74) 4660,1628.74 4660,3731.26 ccw(c4581.26,3731.26) 4581.26,3810 2018.74,3810 ccw(c2018.74,3731.26) 1940,3731.26 1940,1628.74 ; 1941.26,1630 ccw(c2020,1630) 2020,1551.26 4582.52,1551.26 ccw(c4582.52,1630) 4661.26,1630 4661.26,3732.52 ccw(c4582.52,3732.52) 4582.52,3811.26 2020,3811.26 ccw(c2020,3732.52) 1941.26,3732.52 1941.26,1630

## Text inside footprints (layer, text, board x,y; h text height)
U1: Bottom Overlay "HC-O8" at 2481.81,3518.11 h78.74 r90
U3: Bottom Overlay "SIM" at 6315.7,4585.16 h236.22
U6: Bottom Overlay "30" at 3790,2510 h39.37; Bottom Overlay "1" at 2920,2510 h39.37
USB1: Top Overlay "USB" at 2034.17,2020 h40 r270